# KiCad board 32X_VA2.kicad_pcb (continued)
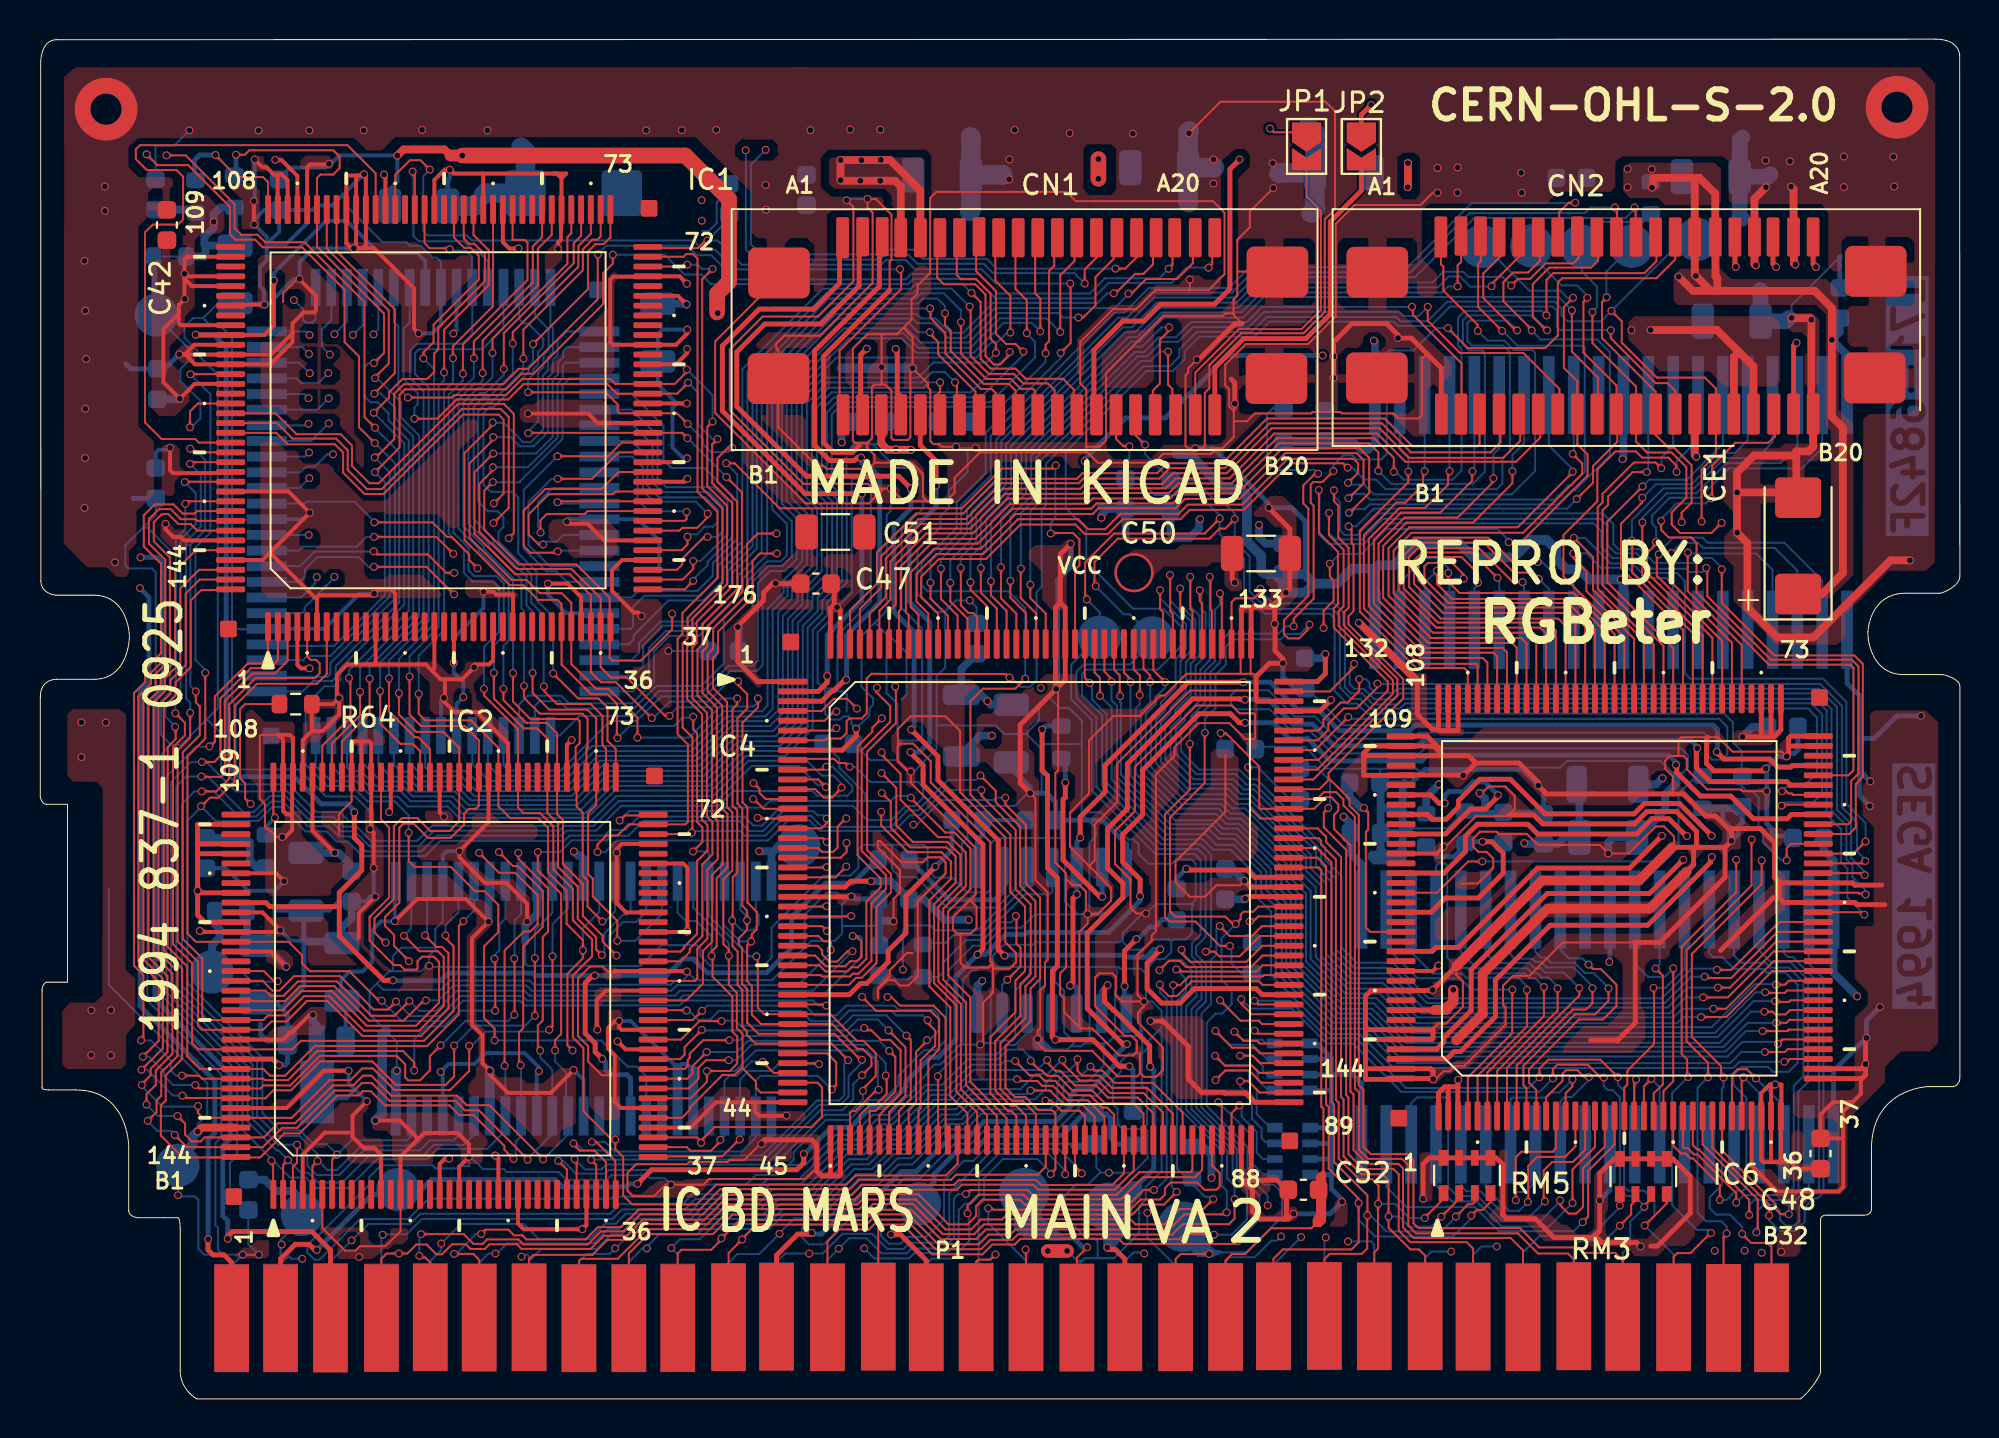
[diagram p0: board, top side]
## Routing (per net, layer and track width the routed paths; a pad name or vN(x,y) marks a point on that pad's centre or on a via; arc(x,y) is an arc through that point) (continued)
VCC: length 486
  Top w0.1: v1(12.2,21.35) 12.18,21.33 12.02,21.33 11.48,21.87 IC2.125 ; IC1.125 8.12,50.88 7.71,50.47 v1(7.71,49.66)
  Top w0.2: IC2.54 28.96,20.87 28.5,20.4 28.5,18.9 v1(28.53,18.87) ; v1(15.33,35.82) 15.33,34.98 14.48,34.14 13.94,34.14 ; v1(15.33,35.82) 15.02,35.51 R64.1 13.94,34.14 ; v1(15.33,35.82) 15.22,35.93 15.22,37.01 15.75,37.54 16.89,37.54 ; v1(29.56,18.28) 29.98,17.87 IC2.48 ; IC1.24 23.2,37.75 22.99,37.54 22.26,37.54 22.26,37.42 v1(22.23,37.39) 21.62,36.78 20.74,36.78 ; 13.94,34.14 13.47,33.67 IC2.105 ; v1(12.63,22.08) 11.84,22.87 IC2.123 ; 88.68,16.07 88.52,15.91 IC6.35 88.52,12.15 88.47,12.1 ; 88.68,16.07 88.46,16.07 88.02,15.63 IC6.34 88.02,12.22 88.14,12.1 88.47,12.1 ; 88.68,16.07 v1(88.74,16.07) 89.05,16.07 89.05,14.48 IC6.36 89.02,12.11 89.01,12.1 ; IC2.24 23.47,12.28 v1(23.31,12.44) ; IC2.40 33.3,13.87 34.59,15.16 36.58,15.16 ; IC1.104 13.7,62.95 13.85,63.1 14.78,63.1 v1(14.81,63.13) ; v1(20.95,12.28) 20.74,12.28 20.47,12.01 IC2.18 ; IC2.60 33.11,23.87 v1(33.13,23.89) 33.13,27.15 32.92,27.37 IC2.67 ; v1(17.89,29.99) 17.97,30.07 IC2.96 ; v1(16.75,15.21) 16.02,14.48 16.02,13.61 ; IC2.4 13.47,12.48 14.6,13.61 16.02,13.61 ; 16.02,13.61 16.02,13.39 16.59,12.82 17.14,12.82 17.47,12.49 IC2.12 ; IC1.110 7.62,58.38 7.6,58.4 7.43,58.23 v1(7.43,57.51) ; 20.08,37.22 20.52,36.78 20.74,36.78 ; 20.08,37.22 19.76,37.54 16.89,37.54 ; 20.08,37.22 20.2,37.34 IC1.18 ; IC1.117 7.24,54.88 7.14,54.98 7.14,55.48 ; 36.58,15.16 36.58,14.7 36.81,14.47 38.19,14.47 v1(38.2,14.48) ; 36.58,15.16 IC4.44 ; C48.1 89.86,11.77 89.53,12.1 89.01,12.1 ; IC1.4 13.2,37.52 13.38,37.34 v1(13.82,37.34) ; 7.14,55.48 7.14,55.92 v1(7.44,56.22) 7.43,56.23 v1(7.43,57.51) ; 7.14,55.48 6.35,54.69 6.35,51.96 v1(7.19,51.12) 7.95,51.88 IC1.123 ; IC1.105 13.2,62.51 12.38,63.33 v1(12.07,63.33) ; v1(15.82,16.77) 14.55,16.77 12.64,14.87 IC2.139 ; 89.01,12.1 88.47,12.1 ; IC1.67 32.65,56.38 v1(33.09,55.94) ; v1(13.99,19.63) 13.82,19.63 12.92,18.73 12.83,18.73 12.47,18.37 IC2.132 ; IC1.139 7.42,43.88 7.25,44.05 6.86,44.05 6.46,44.45 v1(6.46,44.73) ; IC1.60 32.55,52.88 33.12,53.45 v1(33.12,53.67) ; 16.89,37.54 17.11,37.54 17.2,37.63 IC1.12 ; IC1.112 7.56,57.38 v1(7.43,57.51) ; v1(24.5,58.8) 24.03,58.8 23.7,59.13 IC1.84 ; v1(33.13,47.03) 32.98,46.88 IC1.48 ; IC1.113 7.81,56.88 7.43,57.26 v1(7.43,57.51) ; IC2.104 13.97,29.04 v1(15.11,27.91) ; v1(24.99,50.36) 28.07,50.36 28.55,49.88 IC1.54 ; 20.74,36.78 20.74,35.88 v1(20.69,35.83) 20.69,35.65 21.23,35.11 22.37,35.11 23.97,33.51 IC2.84 ; 34.65,55.53 v1(34.68,55.5) ; v1(17.63,62.58) 17.7,62.51 IC1.96 ; IC1.132 9.73,47.32 6.84,47.32 6.69,47.47 v1(6.69,48.62) ; IC1.40 29.8,42.88 29.28,42.36 29.28,41.3 30.39,40.19 30.61,40.19 v1(30.79,40.01)
  Top w0.25: IC6.75 88.02,33.88 87.98,33.84 ; 72.05,15.95 72.02,15.92 IC6.2 ; 72.05,15.95 71.84,15.95 71.52,15.63 IC6.1 ; 72.05,15.95 72.51,15.95 ; IC6.108 71.52,34.22 ; 71.52,34.22 71.58,34.16 72.03,34.16 ; 71.52,34.22 71.21,34.22 70.44,34.99 70.44,36.69 ; v1(8.1,25.97) 8.2,25.87 IC2.117 ; v1(8.1,25.97) 8.1,24.73 8.47,24.37 IC2.120 ; v1(8.1,25.97) 8.1,27.83 ; IC6.74 88.52,33.91 88.45,33.84 ; v1(65.74,38.07) 65.74,37.07 65.33,36.66 IC4.132 ; v1(61.11,41.72) 60.98,41.86 C50.1 ; v1(72.28,20.91) 72.28,20.28 71.87,19.87 IC6.137 ; IC4.1 36.73,36.66 35.71,37.68 v1(35.71,39.45) 35.71,39.5 37.03,40.82 37.03,41.22 37.49,41.68 v1(37.65,41.68) 37.66,41.67 C47.1 ; 67.47,39.66 v1(67.45,39.66) ; 88.45,33.84 88.67,33.84 89.02,34.19 IC6.73 ; 88.45,33.84 87.98,33.84 ; IC2.112 8.12,28.37 8.1,28.34 ; 72.03,34.16 72.02,34.17 IC6.107 ; 72.03,34.16 72.52,34.16 IC6.106 ; IC6.3 72.51,14.47 72.51,15.95 ; 87.98,33.84 v1(87.06,33.84) ; 8.1,28.34 8.1,27.83 ; 8.1,28.34 8.1,29.35 8.11,29.37 IC2.110 ; 8.1,27.83 8.14,27.87 IC2.113 ; 72.51,15.95 72.51,16.29 v1(72.53,16.31) ; IC4.89 62.14,15.16 61.67,15.63 60.61,15.63 60.57,15.67 59.41,15.67 58.74,16.34 58.74,18.01 57.44,19.31 v1(56.8,19.31) ; v1(61.64,25.56) 61.75,25.67 63.86,25.67 IC4.110 ; IC4.22 41.19,26.16 41.49,26.46 v1(42.52,26.46)
  Top w0.4: CN1.A5 45.04,61.77 43.49,63.32 v1(40.96,63.32) v1(40.96,62.29) 40.99,62.26 v1(42.99,62.26) 43.75,62.26 44.04,61.97 CN1.A4 ; v1(83.8,57.36) 84.53,56.63 85.44,56.63 ; 84.62,62.41 84.86,62.41 85.67,61.6 CN2.A15 85.68,59.38 85.68,57.39 85.77,57.3 85.77,56.63 ; 84.62,62.41 82.5,62.41 82.5,61.98 v1(82.43,61.91) ; 84.62,62.41 CN2.A14 84.62,57.45 v1(84.67,57.4) 85.44,56.63 ; 85.44,56.63 85.77,56.63 ; 67.47,39.66 70.44,36.69 ; 85.77,56.63 90.75,56.63 91.63,55.75 v1(91.63,54.13) 91.63,50.2 92.19,49.64 92.19,42.21 91.12,41.14 CE1.1 ; v1(69.96,63.16) 69.96,61.94 v1(69.95,61.93) ; 21.03,63.55 20.72,63.86 18.62,63.86 v1(18.31,63.55)
  Top w0.6: v1(21.63,63.55) 21.03,63.55
  Top w0.8: v1(21.63,63.55) 33.03,63.55 35.26,61.32 35.26,57.1 34.65,56.49 34.65,55.53 ; v1(54.14,62.36) v1(54.14,63.37)
  In1.Cu w0.1: v1(30.79,40.01) 25.82,40.01 25.49,40.34 25.49,42.7 25.15,43.04 25.15,44.8 25.32,44.97 26.03,44.97 26.62,44.38 29.92,44.38 32.57,47.03 v1(33.13,47.03)
  In1.Cu w0.4: v1(82.97,31.73) 82.97,31.11 82.07,30.21 82.07,27.65 86.28,23.44 90.05,23.44 v1(92.92,20.57)
  Bottom w0.1: 8.95,21.86 10.34,21.86 10.87,21.33 12.18,21.33 v1(12.2,21.35) ; 6.07,55.32 6.07,55.27 7.72,53.62 7.72,53.14 7.22,52.64 7.22,52.03 8.24,51.01 8.24,50.12 7.78,49.66 v1(7.71,49.66) ; 8.98,24.93 R4.1 ; 7.5,58.39 R1.2
  Bottom w0.2: 16.15,15.81 15.71,15.37 15.09,15.37 ; 16.15,15.81 15.82,16.14 v1(15.82,16.77) ; 16.15,15.81 v1(16.75,15.21) ; C12.1 17.94,61.84 18.31,62.22 v1(18.31,63.55) 18.3,63.56 15.35,63.56 14.92,63.13 v1(14.81,63.13) 14.61,62.93 12.82,62.93 12.27,62.38 C13.1 ; v1(21.17,54.45) 21.34,54.62 IC5.34 ; v1(20.69,35.83) 20.53,35.67 IC5.72 ; v1(6.69,48.62) 6.58,48.51 6.1,48.51 5.96,48.37 C10.1
  Bottom w0.25: 5.89,55.45 6.47,54.87 ; IC7.11 80.29,22.37 v1(80.25,22.33) ; R1.2 5.89,58.36
  Bottom w0.3: 5.89,58.36 5.89,55.45
  Bottom w0.4: C18.1 61.61,25.53 v1(61.64,25.56) ; v1(48.2,21.37) 47.95,21.12 IC9.14 ; 8.84,22.04 8.84,23.19 9.22,23.57 9.22,24.03 8.98,24.28 8.98,24.93 ; v1(92.92,20.57) 91.71,21.78 IC7.20 91.71,27.53 91.2,28.06 C41.1 ; v1(12.63,22.08) 11.56,23.16 11.14,23.16 10.62,23.67 R4.1 ; v1(42.52,26.46) 43.52,26.46 44.44,25.54 C29.1 45.22,25.54 46.27,24.49 v1(47.51,24.49) ; R7.2 70.89,30.76 v1(71.54,31.41) ; v1(48.7,33.9) 48.11,33.9 47.14,32.93 47.14,32.84 ; 7.5,58.39 8.44,58.39 8.5,58.45 8.5,58.95 ; R63.2 63.61,48.9 67.19,48.9 67.6,48.49 67.93,48.49 68.27,48.84 IC8.1 68.27,54.03 v1(68.22,54.09) ; v1(35.71,39.45) 35.76,39.41 C22.1 ; v1(59.92,11.29) 59.92,12.47 59.49,12.89 R65.1 ; C35.1 65.52,37.86 v1(65.74,38.07) ; v1(62.35,44.67) 62.35,44.05 62.68,43.72 C38.1 ; IC7.1 67.58,27.31 67.02,27.89 C39.1 67.02,29.42 v1(66.67,29.76) ; 8.5,58.95 8.45,59 8.45,59.43 8.49,59.43 8.92,59.86 v1(8.92,60.16) 8.92,60.56 9.25,60.89 R2.2 9.97,58.98 C34.1 8.5,58.95 ; v1(80.93,48.03) 80.98,48.08 80.98,51.31 ; C21.1 92.03,54.53 v1(91.63,54.13) 92.41,53.36 IC8.20 ; C15.1 v1(15.11,27.91) 15.31,27.91 15.97,27.25 C16.1 ; v1(33.09,55.94) 33.05,55.98 31.62,55.98 ; C19.1 41.25,49.95 41.01,49.71 41.01,48.9 v1(41.02,48.89) ; 15.09,15.37 14.19,16.27 IC10.2 14.19,19.1 13.99,19.3 v1(13.99,19.63) ; C36.1 87.57,34.35 v1(87.06,33.84) ; L2.1 82.65,31.41 v1(82.97,31.73) ; C9.1 7.17,51.09 v1(7.19,51.12)
  vias: v1(33.86,61.27) v1(33.87,60.22) v1(42.03,63.31) v1(41.97,62.26) v1(43.02,63.33) v1(81.19,62.87) v1(81.19,61.93) v1(82.42,62.85) v3(55.96,42.23)
/32X Main 2/ED0: length 20.5
  Top w0.1: IC6.105 73.02,37.18 72.85,37.35 70.39,37.35 67.5,40.24 67.5,44.38 69.98,46.86 v1(69.98,47.4)
  Bottom w0.1: v1(69.98,47.4) 69.98,48.09 69.55,48.53 IC8.2
/32X Main 2/ED1: length 21.2
  Top w0.1: IC6.104 73.52,37.51 73.46,37.57 70.54,37.57 67.71,40.4 67.71,44.15 69.37,45.81 69.82,45.81 70.73,46.72 70.73,47.33 v1(70.82,47.42)
  Bottom w0.1: v1(70.82,47.42) 70.82,51.31
/32X Main 2/ED2: length 22.4
  Top w0.1: IC6.103 74.02,37.63 73.78,37.87 70.61,37.87 67.96,40.52 67.96,43.96 69.53,45.53 70.82,45.53 72.01,46.72 72.01,47.34 v1(72.09,47.42)
  Bottom w0.1: v1(72.09,47.42) 72.09,47.5 72.08,47.5 IC8.4
/32X Main 2/ED3: length 23.5
  Top w0.1: IC6.102 74.52,37.95 74.33,38.14 70.72,38.14 68.22,40.64 68.22,43.91 69.61,45.3 71.61,45.3 73.24,46.93 73.24,47.39 v1(73.26,47.41)
  Bottom w0.1: 73.36,51.31 73.36,47.64 73.26,47.55 v1(73.26,47.41)
/32X Main 2/ED4: length 24.7
  Top w0.1: IC6.101 75.02,38.16 74.8,38.38 70.89,38.38 68.46,40.81 68.46,43.72 69.79,45.05 72.51,45.05 73.23,45.77 73.23,45.78 74.28,46.83 74.28,47.01 v1(74.33,47.06)
  Bottom w0.1: v1(74.33,47.06) 74.33,48.29 74.63,48.59 IC8.6
/32X Main 2/ED5: length 25.8
  Top w0.1: v1(75.3,47.41) 75.3,46.8 73.29,44.79 69.89,44.79 68.69,43.59 68.69,40.95 71,38.64 75.28,38.64 75.52,38.4 IC6.100
  Bottom w0.1: v1(75.3,47.41) 75.3,48.24 75.89,48.84 IC8.7
/32X Main 2/ED6: length 28.8
  Top w0.1: IC6.99 76.02,38.62 75.75,38.89 71.14,38.89 68.97,41.06 68.97,43.48 70.04,44.55 75.57,44.55 78.38,47.36 v1(78.38,47.39)
  Bottom w0.1: IC8.8 77.17,48.73 78.38,47.51 v1(78.38,47.39)
/32X Main 2/ED7: length 29
  Top w0.1: v1(78.38,48.3) 78.87,47.81 78.87,47.29 75.85,44.27 70.14,44.27 69.23,43.36 69.23,41.17 71.24,39.16 76.23,39.16 76.52,38.87 IC6.98
  Bottom w0.1: v1(78.38,48.3) 78.43,48.36 IC8.9
/32X Main 2/ED8: length 26.3
  Top w0.1: IC6.97 77.02,39.12 76.72,39.42 71.41,39.42 69.48,41.35 69.48,43.22 70.28,44.02 74.06,44.02 75.31,42.77 v1(76.6,42.77)
  Bottom w0.1: IC8.32 78.43,41.62 78.26,41.79 77.81,41.79 76.83,42.77 v1(76.6,42.77)
/32X Main 2/ED9: length 24.6
  Top w0.1: v1(76.65,41.91) 76.33,42.23 75.38,42.23 73.85,43.76 70.4,43.76 69.74,43.1 69.74,41.43 71.49,39.68 77.11,39.68 77.52,39.27 IC6.96
  Bottom w0.1: v1(76.65,41.91) 77.17,41.39 IC8.33
/32X Main 2/ED10: length 23.3
  Top w0.1: v1(75.82,41.75) 75.32,41.75 73.59,43.48 70.47,43.48 70.02,43.03 70.02,41.5 71.64,39.88 77.65,39.88 78.02,39.51 IC6.95
  Bottom w0.1: IC8.34 75.89,41.67 v1(75.82,41.75)
/32X Main 2/ED11: length 21.8
  Top w0.1: v1(74.54,41.96) 73.24,43.26 70.68,43.26 70.27,42.85 70.27,41.66 71.76,40.17 77.92,40.17 78.52,39.57 IC6.94
  Bottom w0.1: IC8.35 74.63,41.88 v1(74.54,41.96)
/32X Main 2/ED12: length 20.5
  Top w0.1: v1(73.54,41.72) 73.54,42.19 72.7,43.03 70.79,43.03 70.5,42.74 70.5,41.84 71.89,40.45 78.03,40.45 79.02,39.46 IC6.93
  Bottom w0.1: v1(73.54,41.72) 73.54,41.63 73.36,41.45 73.36,39.31
/32X Main 2/ED13: length 19.7
  Top w0.1: v1(72.81,41.92) 72.81,42.14 72.22,42.73 70.98,42.73 70.8,42.55 70.8,41.91 72.03,40.68 78.15,40.68 79.52,39.31 IC6.92
  Bottom w0.1: v1(72.81,41.92) 72.37,41.92 72.08,41.64 IC8.37
/32X Main 2/ED14: length 17
  Top w0.1: IC6.91 80.02,39.24 78.37,40.89 72.21,40.89 71.44,41.66 v1(71.44,42.33)
  Bottom w0.1: v1(71.44,42.33) 70.82,41.7 70.82,39.31
/32X Main 2/ED15: length 19.2
  Top w0.1: v1(72.02,42.21) 72.02,41.77 72.6,41.19 78.42,41.19 80.52,39.09 IC6.90
  Bottom w0.1: v1(72.02,42.21) 72.02,42.47 71.52,42.97 70.79,42.97 69.55,41.73 IC8.39
/32X Main 2/OD0: length 16.7
  Top w0.1: IC6.4 73.02,16.42 75.29,18.69 75.29,20.91 v1(75.3,20.92)
  Bottom w0.1: v1(75.3,20.92) 73.2,20.92 72.62,21.5 70.43,21.5 70.43,21.52 68.86,23.09 IC7.2
/32X Main 2/OD1: length 16.5
  Top w0.1: v1(76.04,20.9) 76.04,19.03 73.52,16.51 IC6.5
  Bottom w0.1: IC7.3 70.13,22.84 71.22,21.74 72.73,21.74 72.94,21.53 75.61,21.53 76.04,21.1 v1(76.04,20.9)
/32X Main 2/OD2: length 21
  Top w0.1: v1(76.91,21.05) 76.91,19.57 74.02,16.68 IC6.6
  Bottom w0.1: v1(76.91,21.05) 76.45,21.51 76.18,21.51 75.94,21.75 73.29,21.75 73.01,22.03 72.5,22.03 71.97,22.56 71.97,27.26 71.86,27.37 71.53,27.37 71.39,27.23 IC7.4
/32X Main 2/OD3: length 15.8
  Top w0.1: v1(77.61,20.98) 77.61,19.85 74.52,16.76 IC6.7
  Bottom w0.1: v1(77.61,20.98) 77.61,21.08 77.15,21.54 76.79,21.54 76.58,21.75 76.32,21.75 76.06,22.01 73.48,22.01 72.67,22.83 IC7.5
/32X Main 2/OD4: length 15.8
  Top w0.1: v1(78.72,21) 78.72,20.62 75.02,16.92 IC6.8
  Bottom w0.1: IC7.6 73.93,22.81 74.46,22.28 76.16,22.28 76.43,22.01 76.75,22.01 76.97,21.79 77.93,21.79 v1(78.72,21)
/32X Main 2/OD5: length 15.8
  Top w0.1: v1(79.39,20.99) 79.39,20.22 79.07,19.9 78.38,19.9 75.52,17.04 IC6.9
  Bottom w0.1: v1(79.39,20.99) 79.39,21.09 78.43,22.05 77.04,22.05 76.75,22.34 76.48,22.34 76.32,22.5 75.41,22.5 75.2,22.7 IC7.7
/32X Main 2/OD6: length 15.7
  Top w0.1: IC6.10 76.02,15.88 75.86,16.04 75.86,17.02 78.49,19.65 79.52,19.65 80.21,20.34 v1(80.21,20.98)
  Bottom w0.1: v1(80.21,20.98) 80.21,21.01 79.45,21.77 79,21.77 78.48,22.29 77.26,22.29 76.99,22.56 76.76,22.56 76.48,22.84 76.48,25.01
/32X Main 2/OD7: length 15.1
  Top w0.1: v1(79.19,22.2) 79.42,21.97 79.82,21.97 80.62,21.17 80.62,20.09 79.92,19.39 78.69,19.39 76.15,16.85 76.15,16.16 76.52,15.79 IC6.11
  Bottom w0.1: v1(79.19,22.2) 78.88,22.51 78.2,22.51 77.74,22.97 IC7.9
/32X Main 2/OD8: length 8.3
  Top w0.1: IC6.12 77.02,15.41 77.86,16.25 77.86,16.62 78.04,16.8 78.62,16.8 78.97,16.45 v1(79.21,16.45)
  Bottom w0.1: IC7.32 77.74,15.2 77.97,15.43 78.34,15.43 79.21,16.3 v1(79.21,16.45)
/32X Main 2/OD9: length 9.6
  Top w0.1: IC6.13 77.52,12.79 77.36,12.63 75.75,12.63 75.47,12.35 v1(75.47,10.15)
  Bottom w0.1: v1(75.47,10.15) 75.47,10.48 75.56,10.57 75.94,10.57 76.48,11.11 76.48,13.01
/32X Main 2/OD10: length 7.9
  Top w0.1: IC6.14 78.02,15.62 78.36,15.96 78.36,16.32 v1(78.37,16.33)
  Bottom w0.1: IC7.34 75.2,15.31 75.29,15.4 76.99,15.4 77.25,15.66 77.7,15.66 v1(78.37,16.33)
/32X Main 2/OD11: length 11.3
  Top w0.1: IC6.15 78.52,12.9 77.99,12.37 76.57,12.37 76.11,11.91 76.11,10.08 v1(76.09,10.06)
  Bottom w0.1: v1(76.09,10.06) 75.64,9.61 75.12,9.61 73.93,10.8 IC7.35
/32X Main 2/OD12: length 13.3
  Top w0.1: IC6.16 79.02,12.74 78.39,12.11 77.33,12.11 76.9,11.68 76.9,10.15 v1(76.96,10.09)
  Bottom w0.1: v1(76.96,10.09) 76.2,9.33 74.96,9.33 73.68,10.61 72.95,10.61 72.67,10.89 IC7.36
/32X Main 2/OD13: length 15.4
  Top w0.1: v1(78.37,10.01) 78.37,11.72 79.52,12.87 IC6.17
  Bottom w0.1: IC7.37 71.39,10.91 72.21,10.09 73.47,10.09 74.75,8.81 77.17,8.81 v1(78.37,10.01)
/32X Main 2/OD14: length 22.4
  Top w0.1: IC6.18 80.02,12.9 78.91,11.79 78.91,9.82 78.56,9.47 78.17,9.47 77.73,9.91 v1(77.73,10.15)
  Bottom w0.1: IC7.38 70.13,15.11 70.43,15.41 71.86,15.41 72.02,15.25 72.02,10.82 72.48,10.36 73.53,10.36 74.81,9.08 76.72,9.08 77.73,10.09 v1(77.73,10.15)
/32X Main 2/OD15: length 19.4
  Top w0.1: IC6.19 80.52,13 79.17,11.65 79.17,9.31 v1(78.89,9.03)
  Bottom w0.1: v1(78.89,9.03) 78.43,8.57 74.61,8.57 73.38,9.8 69.89,9.8 68.86,10.84 IC7.39
BFP: length 58.1
  Top w0.25: v1(89.82,53.98) 89.67,53.83 CN2.B19 ; IC6.141 71.42,17.87 71.79,18.24 71.79,18.45 73.19,19.85 73.19,21.94 77.08,25.83 82.3,25.83 v1(84.03,27.56)
  In1.Cu w0.25: v1(84.03,27.56) 84.95,26.64 89.47,26.64 91.35,28.52 91.35,52.53 89.9,53.98 v1(89.82,53.98)
CTA1: length 67.1
  Top w0.1: v1(59.77,57.82) 59.96,58.01 59.96,59.44 ; v1(29.32,58.48) 29.32,58.02 28.83,57.53 28.83,55.96 25.27,52.4 24.66,52.4 23.86,51.6 18.7,51.6 18.42,51.32 18.42,48.62 v1(17.16,47.36)
  Bottom w0.1: v1(59.77,57.82) 58.65,57.82 57.87,57.04 54.66,57.04 53.87,56.25 48.88,56.25 47.88,57.25 44.69,57.25 44.42,56.98 34.34,56.98 33.85,57.47 32.98,57.47 31.97,58.48 v1(29.32,58.48) ; v1(17.16,47.36) 17.67,46.85 17.67,41.08 15.08,38.49 11.7,38.49 IC5.4
CTA2: length 66.4
  Top w0.1: v1(57.73,57.76) 57.93,57.96 57.93,59.48 ; v1(28.56,58.51) 28.55,58.5 28.55,56.21 24.99,52.65 24.51,52.65 23.72,51.86 18.64,51.86 18.15,51.37 18.15,49.06 17.21,48.12 v1(17.15,48.12)
  Bottom w0.1: v1(28.56,58.51) 28.99,58.94 33.13,58.94 33.61,58.46 34.35,58.46 35.59,57.22 44.29,57.22 44.57,57.5 48.01,57.5 49.01,56.5 53.7,56.5 54.48,57.28 57.25,57.28 v1(57.73,57.76) ; v1(17.15,48.12) 17.92,47.35 17.92,41.01 14.88,37.97 13.7,37.97 13.49,37.76 IC5.3
CTA3: length 100.1
  Top w0.1: CN1.A16 56.09,58.35 55.51,57.77 v1(55.01,57.77) ; v1(5.49,63.61) 6.04,63.06 7.62,63.06 9.75,60.93 9.75,59.53 10.03,59.25 11.04,59.25 11.43,58.86 13.44,58.86 15.61,56.69 15.61,54.02 16.35,53.28 16.35,49.66 v1(17.16,48.85)
  In1.Cu w0.1: v1(37.13,63.84) 34.73,66.24 7.52,66.24 5.49,64.21 v1(5.49,63.61)
  Bottom w0.1: v1(37.13,63.84) 36.38,63.09 36.38,59.01 36.89,58.5 42.9,58.5 43.14,58.74 44.69,58.74 45.16,58.27 48.44,58.27 48.94,57.77 v1(55.01,57.77) ; v1(17.16,48.85) 18.18,47.83 18.18,40.9 14.88,37.6 14.88,37.04 14.74,36.9 11.7,36.9 IC5.2
CTA4: length 97
  Top w0.1: v1(53.44,57.01) 53.44,57.73 54.04,58.33 CN1.A14 ; v1(6.51,63.56) 7.49,63.56 9.99,61.06 9.99,59.84 10.33,59.5 11.17,59.5 11.55,59.12 13.57,59.12 16.63,56.06 16.63,50.18 v1(17.17,49.64)
  In1.Cu w0.1: v1(36.11,63.82) 36.11,64.14 34.44,65.81 7.8,65.81 6.51,64.52 v1(6.51,63.56)
  Bottom w0.1: v1(53.44,57.01) 52.91,57.54 48.75,57.54 48.27,58.02 44.89,58.02 44.43,58.48 43.23,58.48 42.98,58.23 36.64,58.23 36.12,58.75 36.12,63.81 v1(36.11,63.82) ; v1(17.17,49.64) 17.17,49.62 18.4,48.39 18.4,40.7 15.16,37.46 15.16,36.87 14.98,36.69 14,36.69 13.47,36.16 IC5.1
CTA5: length 65.1
  Top w0.1: v1(51.44,53.44) 51.44,53.88 51.62,54.06 51.62,57.66 51.88,57.92 51.88,58.8
  Bottom w0.1: IC5.80 14.14,32.34 14.91,31.57 16.21,31.57 17,30.78 18.34,30.78 18.84,30.28 20.88,30.28 21.46,29.7 28.02,29.7 29.41,31.09 34.36,31.09 36.13,32.86 38.14,32.86 39.54,34.26 39.54,39.31 40.29,40.06 40.29,40.73 41.28,41.72 41.28,46.27 40.51,47.04 40.51,50.31 40.91,50.71 49.15,50.71 51.44,53 v1(51.44,53.44)
CTA6: length 63.9
  Top w0.1: 49.9,59.04 49.9,56.73 50.48,56.15 v1(50.48,54.47)
  Bottom w0.1: v1(50.48,54.47) 50.48,54.45 50.9,54.03 50.9,53.22 48.62,50.94 40.77,50.94 40.26,50.43 40.26,46.94 41.03,46.17 41.03,41.81 40.03,40.81 40.03,40.17 39.28,39.42 39.28,34.36 38.04,33.12 36.02,33.12 34.23,31.33 29.3,31.33 27.89,29.92 21.62,29.92 20.99,30.55 18.98,30.55 18.46,31.07 17.1,31.07 16.35,31.82 15.46,31.82 14.94,32.34 IC5.79
CTA7: length 63.2
  Top w0.1: v1(50.31,53.53) 50.29,53.53 49.9,53.92 49.42,53.92 48.9,54.44 48.9,56.63 47.89,57.64 47.89,59.09
  Bottom w0.1: v1(50.31,53.53) 50.31,53.37 48.13,51.19 40.63,51.19 40.01,50.57 40.01,46.75 40.78,45.98 40.78,41.95 39.79,40.96 39.79,40.27 39.03,39.51 39.03,34.53 37.87,33.37 35.85,33.37 34.05,31.57 29.15,31.57 27.71,30.13 21.79,30.13 21.12,30.8 19.09,30.8 18.58,31.31 17.22,31.31 16.45,32.08 15.93,32.08 15.73,32.28 IC5.78
CTA8: length 64.4
  Top w0.1: v1(49.61,53.51) 49.61,53.37 49.11,52.87 48.8,52.87 48.37,53.3 48.37,56.44 47.84,56.97 46.24,56.97 45.9,57.31 45.9,59.44
  Bottom w0.1: IC5.77 16.53,32.5 17.49,31.55 18.72,31.55 19.23,31.04 21.26,31.04 21.94,30.36 27.51,30.36 28.99,31.84 33.97,31.84 35.74,33.61 37.76,33.61 38.78,34.63 38.78,39.67 39.53,40.42 39.53,41.01 40.53,42.01 40.53,45.87 39.75,46.65 39.75,50.69 40.51,51.45 47.63,51.45 49.61,53.43 v1(49.61,53.51)
CTA9: length 51.3
  Top w0.1: 45.87,49.97 45.87,51.29 46.05,51.47 v1(46.05,51.96)
  Bottom w0.1: v1(46.05,51.96) 45.49,51.96 45.21,51.68 40.36,51.68 39.5,50.82 39.5,46.54 40.27,45.77 40.27,42.2 39.27,41.2 39.27,40.54 38.51,39.78 38.51,34.74 37.64,33.87 35.61,33.87 33.83,32.09 28.87,32.09 27.38,30.6 22.07,30.6 21.36,31.31 19.3,31.31 18.81,31.8 17.98,31.8 17.34,32.45 IC5.76
CTA10: length 51
  Top w0.1: 46.91,50.49 46.91,51.86 v1(46.81,51.96)
  Bottom w0.1: IC5.75 18.14,32.42 18.49,32.06 18.94,32.06 19.45,31.55 21.5,31.55 22.24,30.81 27.21,30.81 28.75,32.35 33.71,32.35 35.49,34.13 37.51,34.13 38.27,34.89 38.27,39.86 39.01,40.6 39.01,41.31 40,42.3 40,45.63 39.24,46.39 39.24,50.91 40.28,51.95 45.1,51.95 45.63,52.48 46.29,52.48 v1(46.81,51.96)
CTA11: length 57.7
  Top w0.1: v1(48.9,53.46) 48.9,53.91 48.63,54.18 48.63,56.49 47.89,57.23 47.11,57.23 46.9,57.44 46.9,59.16
  Bottom w0.1: v1(48.9,53.46) 48.41,52.97 45.7,52.97 44.93,52.2 40.1,52.2 38.99,51.09 38.99,46.3 39.76,45.53 39.76,42.42 38.77,41.43 38.77,40.77 38.01,40.01 38.01,35.05 37.35,34.39 35.38,34.39 33.61,32.62 28.67,32.62 27.12,31.07 22.34,31.07 21.58,31.83 19.61,31.83 18.94,32.5 IC5.74
CTA12: length 56.1
  Top w0.1: 48.87,59.26 48.87,57.15 49.64,56.38 v1(49.64,54.5)
  Bottom w0.1: IC5.73 19.73,32.28 19.94,32.08 21.84,32.08 22.61,31.31 26.99,31.31 28.54,32.86 33.5,32.86 35.28,34.64 37.21,34.64 37.77,35.2 37.77,40.2 38.48,40.91 38.48,41.51 39.52,42.55 39.52,45.39 38.72,46.19 38.72,51.18 40.76,53.22 47.89,53.22 48.68,54.01 48.98,54.01 49.47,54.5 v1(49.64,54.5)
CTA13: length 55.8
  Top w0.1: v1(51.17,54.56) 51.17,56.24 50.91,56.5 50.91,59.49
  Bottom w0.1: v1(51.17,54.56) 50.73,55 49.3,55 47.77,53.47 44.83,53.47 44.09,54.21 41.38,54.21 38.46,51.29 38.46,46.05 39.24,45.27 39.24,42.66 38.25,41.67 38.25,41.05 37.49,40.29 37.49,35.26 37.11,34.88 35.13,34.88 33.36,33.11 28.38,33.11 26.86,31.59 23,31.59 22.14,32.45 IC5.70
CTA14: length 56
  Top w0.1: v1(52.19,54.53) 52.19,57.43 52.92,58.16 52.92,59.18
  Bottom w0.1: IC5.69 22.94,32.42 23.51,31.84 26.73,31.84 28.26,33.37 33.23,33.37 35.01,35.15 36.95,35.15 37.23,35.43 37.23,40.39 38.05,41.21 38.05,41.85 39.01,42.81 39.01,45.1 38.21,45.9 38.21,51.43 41.24,54.46 44.19,54.46 44.93,53.72 47.6,53.72 49.11,55.23 51.48,55.23 52.18,54.53 v1(52.19,54.53)
CTA15: length 55.4
  Top w0.1: 54.92,59.42 54.92,58.27 53.99,57.34 53.99,55.9 53.36,55.27 v1(53.12,55.27)
  Bottom w0.1: IC5.68 23.73,32.38 23.99,32.12 26.65,32.12 29.17,34.64 30.53,34.64 31.8,35.91 34.04,35.91 35.34,37.21 36.69,37.21 36.98,37.5 36.98,40.51 36.73,40.76 36.73,41.69 37.35,42.31 38.11,42.31 38.72,42.92 38.72,45 37.96,45.76 37.96,51.55 41.13,54.72 44.33,54.72 45.06,53.99 47.5,53.99 49.01,55.5 52.09,55.5 52.32,55.27 v1(53.12,55.27)
CTA16: length 52.4
  Top w0.1: 56.93,59.49 56.93,57.99 56.44,57.5 56.01,57.5 55.02,56.51 v1(54.93,56.51)
  Bottom w0.1: v1(54.93,56.51) 54.59,56.51 54.1,56.02 48.75,56.02 47.22,54.49 46.55,54.49 45.82,55.22 45.08,55.22 44.84,55.46 40.72,55.46 37.21,51.95 37.21,43.16 35.98,41.93 35.98,41.26 33.72,39 32.21,39 31.43,38.22 31.43,36.67 30.31,35.55 27.07,35.55 26.68,35.94 24.98,35.94 24.54,35.5 IC5.67
CTA17: length 55.1
  Top w0.1: v1(55.67,56.49) 55.83,56.49 56.58,57.24 58.16,57.24 58.97,58.05 58.97,59.59
  Bottom w0.1: IC5.66 25.33,35.42 25.57,35.66 26.6,35.66 26.98,35.28 30.39,35.28 31.55,36.44 33.84,36.44 34.99,37.59 34.99,39.88 36.22,41.11 36.22,41.8 37.23,42.81 37.91,42.81 38.22,43.12 38.22,44.72 37.47,45.47 37.47,51.83 40.85,55.21 44.66,55.21 44.89,54.98 45.7,54.98 46.45,54.23 47.33,54.23 48.85,55.75 54.96,55.75 55.67,56.46 v1(55.67,56.49)
CTA18: length 41.8
  Top w0.1: 47.86,50.93 47.86,51.48 45.95,53.39 45.95,54.02 45.53,54.44 v1(45.53,54.52)
  Bottom w0.1: v1(45.53,54.52) 44.93,54.52 44.47,54.98 40.97,54.98 37.71,51.72 37.71,45.61 38.47,44.85 38.47,43.05 38,42.58 37.28,42.58 36.47,41.77 36.47,40.53 36.73,40.27 36.73,37.73 36.47,37.47 35.24,37.47 33.95,36.18 31.68,36.18 30.4,34.9 27.6,34.9 26.61,33.91 IC5.65
CTA19: length 38.8
  Top w0.1: 48.9,50.06 48.9,51.4 48.68,51.62 48.13,51.62 46.32,53.43 46.32,54.49 45.56,55.25 45.56,55.72 v1(45.54,55.74)
  Bottom w0.1: v1(45.54,55.74) 45.53,55.73 40.6,55.73 36.93,52.06 36.93,43.29 35.71,42.07 35.71,41.4 33.56,39.25 32.03,39.25 31.16,38.38 31.16,36.98 30.34,36.16 IC5.64
CTA20: length 40.1
  Top w0.1: 49.91,49.96 49.91,51.53 49.56,51.88 48.27,51.88 46.59,53.56 46.59,54.6 46.3,54.89 v1(46.3,55.49)
  Bottom w0.1: IC5.63 30.39,36.96 30.87,37.44 30.87,38.51 31.88,39.52 33.42,39.52 35.45,41.55 35.45,42.23 36.68,43.46 36.68,52.22 40.44,55.98 44.92,55.98 45.18,56.24 45.91,56.24 46.3,55.85 v1(46.3,55.49)
CTA21: length 40
  Top w0.1: 50.91,50.68 50.91,51.51 50.79,51.63 50.17,51.63 49.67,52.13 48.41,52.13 47.11,53.43 v1(47.11,55.04)
  Bottom w0.1: v1(47.11,55.04) 47.11,55.64 46.24,56.51 45.08,56.51 44.81,56.24 40.35,56.24 36.46,52.35 36.46,43.58 35.2,42.32 35.2,41.71 33.22,39.73 31.74,39.73 30.66,38.65 30.66,38.15 30.27,37.76 IC5.62
CTA22: length 40.5
  Top w0.1: 51.9,51.05 51.9,51.56 51.56,51.9 50.3,51.9 49.81,52.39 48.53,52.39 47.61,53.31 47.61,55.78 v1(47.56,55.83)
  Bottom w0.1: IC5.61 30.14,38.56 30.39,38.81 30.39,39.03 32.17,40.81 33.94,40.81 34.97,41.84 34.97,42.45 36.2,43.68 36.2,52.48 40.21,56.49 44.66,56.49 44.92,56.75 46.63,56.75 47.55,55.83 v1(47.56,55.83)
CTA23: length 42.4
  Top w0.1: v1(47.65,56.53) 48.12,56.06 48.12,53.17 48.63,52.66 49.9,52.66 50.42,52.14 52.33,52.14 52.88,51.59 52.88,50.87
  Bottom w0.1: IC5.60 30.14,39.36 ; 30.14,39.36 30.19,39.36 ; 30.14,39.36 30.24,39.36 30.35,39.47 30.35,40.47 30.93,41.05 33.78,41.05 34.71,41.98 34.71,42.6 35.94,43.83 35.94,52.63 40.05,56.74 44.55,56.74 44.81,57 47.18,57 v1(47.65,56.53)
CTD0: length 39.3
  Top w0.1: v1(72.5,56.86) 72.5,57.94 72.68,58.12 72.68,59.02 ; v1(48.13,42.46) 48.13,41.21 48.95,40.39 IC4.159
  Bottom w0.1: v1(72.5,56.86) 72.01,56.86 71.7,56.55 62.47,56.55 61.45,55.53 57.38,55.53 56.12,54.27 55.67,54.27 49.94,48.54 49.94,46.54 48.4,45 48.4,43.42 48.13,43.15 v1(48.13,42.46)
CTD1: length 43.4
  Top w0.1: v1(74.23,56.87) 74.23,56.97 75.68,58.42 75.68,60 ; IC4.160 48.45,40.52 47.6,41.36 v1(47.6,41.74)
  Bottom w0.1: v1(74.23,56.87) 74.21,56.85 73.14,56.85 72.62,57.37 72.05,57.37 71.49,56.81 62.33,56.81 61.29,55.77 57.26,55.77 56.01,54.52 55.49,54.52 49.67,48.7 49.67,46.63 48.13,45.09 48.13,43.58 47.6,43.05 v1(47.6,41.74)
CTD2: length 46.9
  Top w0.1: v1(47.1,42.47) 47.11,42.46 47.11,40.56 47.5,40.17 47.74,40.17 47.95,39.97 IC4.161 ; v1(75.24,56.9) 75.59,57.25 76.21,57.25 77,58.04 78.41,58.04 78.69,58.32 78.69,59.76